# Altium PCB MB1166.PcbDoc (part 8 of 39)
Units mil, origin at the board's own origin, x right, y up, seen from the top; angles counter-clockwise.
Board outline 5000.99 x 2352.96 mil, 4 copper layers (TOP, L2_GND, L3_VCC, BOTTOM), stack 25.9 mil thick; 35 components, 24 nets, 166 pads, 143 vias.
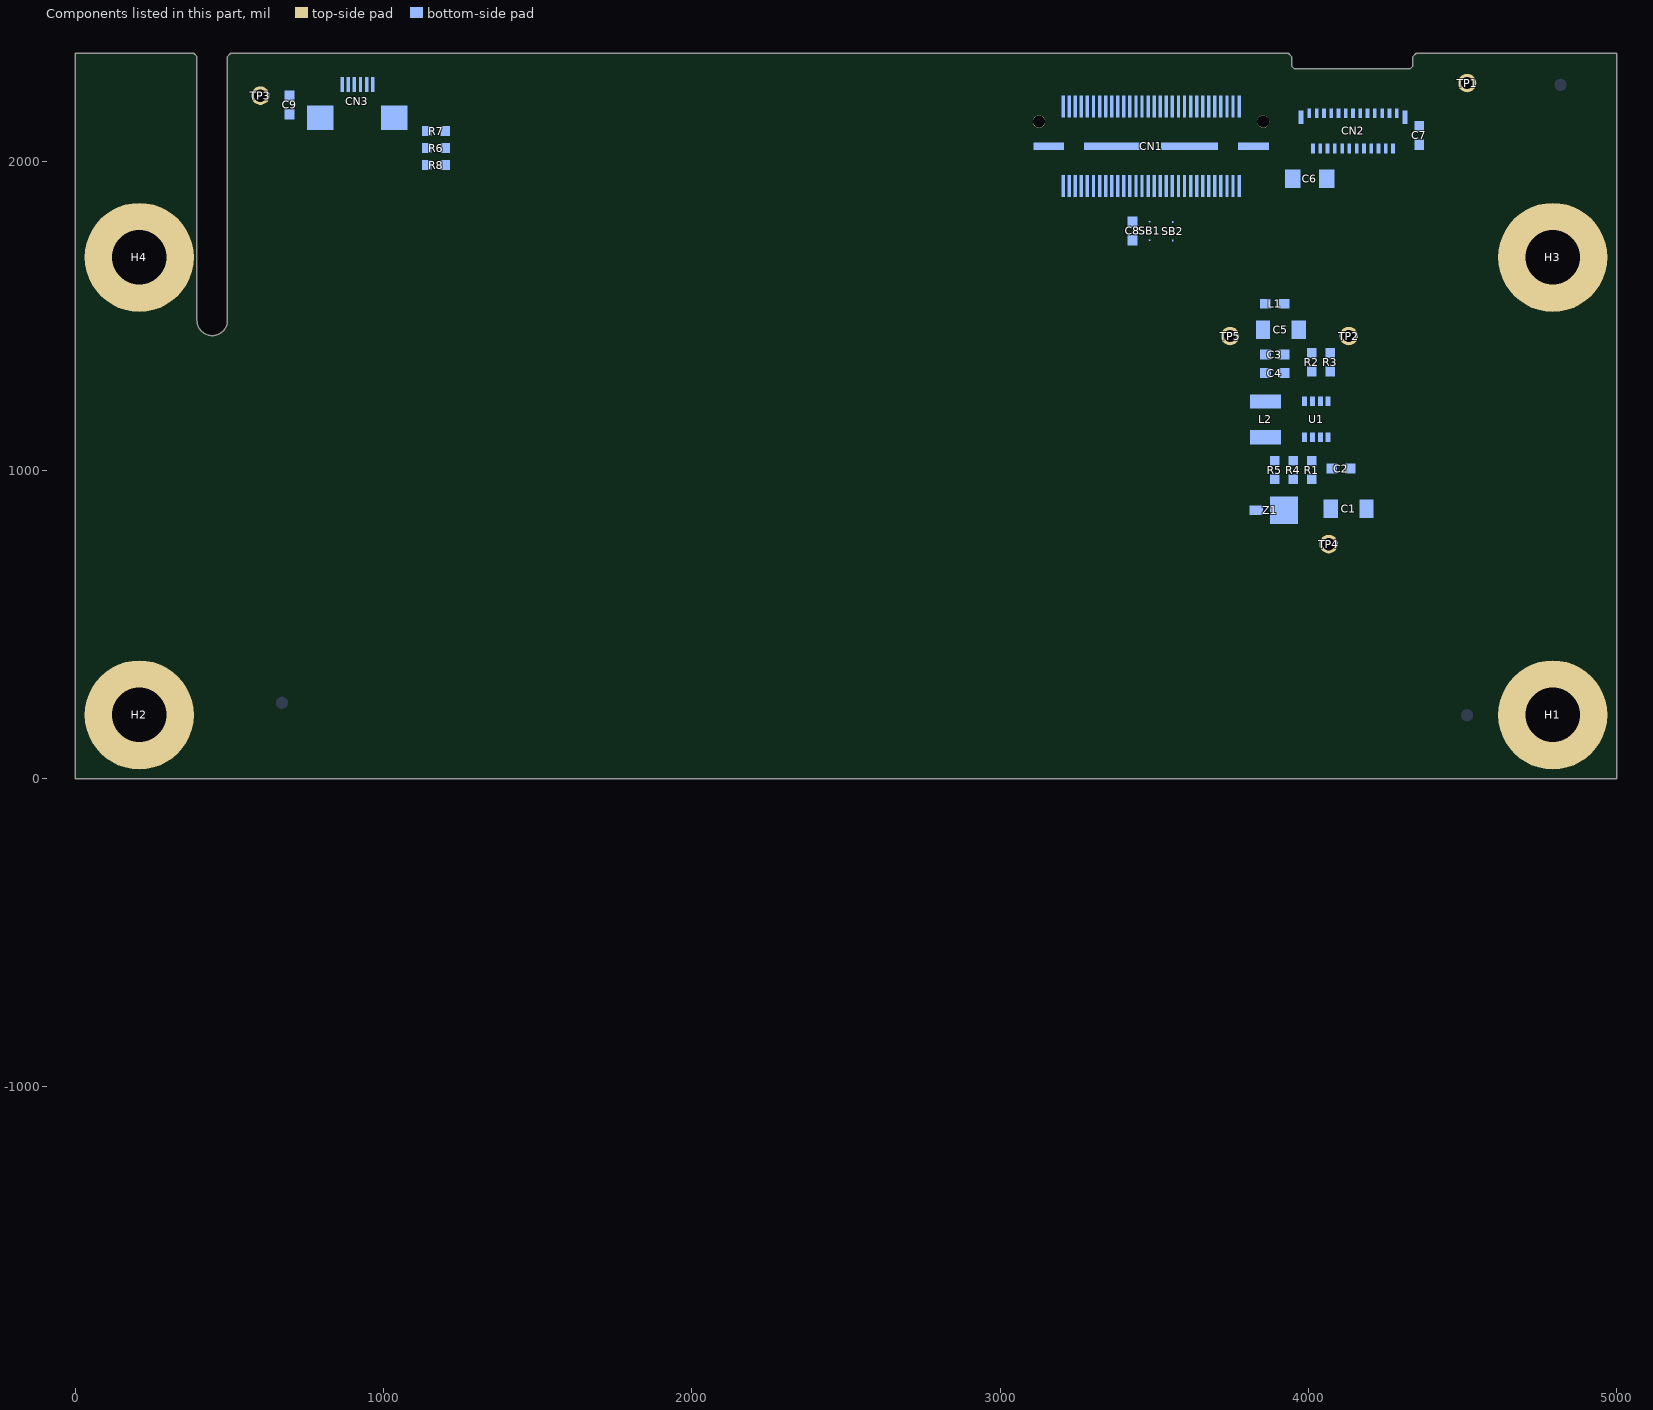
[diagram p10: the components of this part, seen from the top]

## Via types
v1: diameter 24, hole 12, TOP to BOTTOM, 143 vias

## Nets (pads, with @x,y where several pads share a name; then routed paths per layer and width w, separated by ;. In a path a pad name is that pad's centre, name@x,y a point inside that pad or via, vN(x,y) a via of type N, cw(c..) or ccw(c..) an arc to the next point about the centre after c; other vN are vias at no path point) (continued)
copper on no net: (continued)
  TOP w2: 947.4,-1143.44 947.68,-1142.81 ; 947.4,-1143.44 947.68,-1142.81 ; 947.68,-1142.81 947.72,-1142.71 ; 947.68,-1142.81 947.72,-1142.71 ; 947.72,-1142.71 947.77,-1142.62 ; 947.72,-1142.71 947.77,-1142.62 ; 947.77,-1142.62 947.93,-1142.26 ; 947.77,-1142.62 947.93,-1142.26 ; 947.93,-1142.26 947.98,-1142.17 ; 947.93,-1142.26 947.98,-1142.17 ; 947.98,-1142.17 948.1,-1141.9 ; 947.98,-1142.17 948.1,-1141.9 ; 948.1,-1141.9 948.15,-1141.81 ; 948.1,-1141.9 948.15,-1141.81 ; 948.15,-1141.81 948.23,-1141.63 ; 948.15,-1141.81 948.23,-1141.63 ; 948.23,-1141.63 948.28,-1141.54 ; 948.23,-1141.63 948.28,-1141.54 ; 948.28,-1141.54 948.36,-1141.36 ; 948.28,-1141.54 948.36,-1141.36 ; 948.36,-1141.36 948.41,-1141.27 ; 948.36,-1141.36 948.41,-1141.27 ; 948.41,-1141.27 948.49,-1141.09 ; 948.41,-1141.27 948.49,-1141.09 ; 948.49,-1141.09 948.54,-1141 ; 948.49,-1141.09 948.54,-1141 ; 948.54,-1141 948.58,-1140.91 ; 948.54,-1141 948.58,-1140.91 ; 948.58,-1140.91 948.63,-1140.82 ; 948.58,-1140.91 948.63,-1140.82 ; 948.63,-1140.82 948.67,-1140.73 ; 948.63,-1140.82 948.67,-1140.73 ; 948.67,-1140.73 948.72,-1140.64 ; 948.67,-1140.73 948.72,-1140.64 ; 948.72,-1140.64 948.76,-1140.55 ; 948.72,-1140.64 948.76,-1140.55 ; 948.76,-1140.55 948.81,-1140.46 ; 948.76,-1140.55 948.81,-1140.46 ; 948.81,-1140.46 948.85,-1140.37 ; 948.81,-1140.46 948.85,-1140.37 ; 948.85,-1140.37 948.9,-1140.28 ; 948.85,-1140.37 948.9,-1140.28 ; 948.9,-1140.28 948.94,-1140.19 ; 948.9,-1140.28 948.94,-1140.19 ; 948.94,-1140.19 948.99,-1140.1 ; 948.93,-1140.21 979.03,-1110.11 ; 948.94,-1140.19 948.99,-1140.1 ; 948.93,-1140.21 979.03,-1110.11 ; 948.99,-1140.1 949.03,-1140.01 ; 948.99,-1140.1 949.03,-1140.01 ; 949.03,-1140.01 949.08,-1139.92 ; 949.03,-1140.01 949.08,-1139.92 ; 949.08,-1139.92 949.12,-1139.84 ; 949.08,-1139.92 949.12,-1139.84 ; 949.12,-1139.84 949.17,-1139.75 ; 949.12,-1139.84 949.17,-1139.75 ; 949.17,-1139.75 949.21,-1139.66 ; 949.17,-1139.75 949.21,-1139.66 ; 949.21,-1139.66 949.31,-1139.48 ; 949.21,-1139.66 949.31,-1139.48 ; 949.31,-1139.48 949.35,-1139.39 ; 949.31,-1139.48 949.35,-1139.39 ; 949.35,-1139.39 949.4,-1139.3 ; 949.35,-1139.39 949.4,-1139.3 ; 949.4,-1139.3 949.44,-1139.21 ; 949.4,-1139.3 949.44,-1139.21 ; 949.44,-1139.21 949.49,-1139.13 ; 949.44,-1139.21 949.49,-1139.13 ; 949.49,-1139.13 949.54,-1139.04 ; 949.49,-1139.13 949.54,-1139.04 ; 949.54,-1139.04 949.58,-1138.95 ; 949.54,-1139.04 949.58,-1138.95 ; 949.58,-1138.95 949.73,-1138.68 ; 949.58,-1138.95 949.73,-1138.68 ; 949.73,-1138.68 949.77,-1138.6 ; 949.73,-1138.68 949.77,-1138.6 ; 949.77,-1138.6 949.92,-1138.33 ; 949.77,-1138.6 949.92,-1138.33 ; 949.92,-1138.33 949.96,-1138.24 ; 949.92,-1138.33 949.96,-1138.24 ; 949.96,-1138.24 950.01,-1138.16 ; 949.96,-1138.24 950.01,-1138.16 ; 950.01,-1138.16 950.16,-1137.89 ; 950.01,-1138.16 950.16,-1137.89 ; 950.16,-1137.89 950.2,-1137.81 ; 950.16,-1137.89 950.2,-1137.81 ; 950.2,-1137.81 950.35,-1137.54 ; 950.2,-1137.81 950.35,-1137.54 ; 950.35,-1137.54 950.4,-1137.46 ; 950.35,-1137.54 950.4,-1137.46 ; 950.4,-1137.46 950.5,-1137.28 ; 950.4,-1137.46 950.5,-1137.28 ; 950.5,-1137.28 950.55,-1137.2 ; 950.5,-1137.28 950.55,-1137.2 ; 950.55,-1137.2 950.59,-1137.11 ; 950.55,-1137.2 950.59,-1137.11 ; 950.59,-1137.11 950.69,-1136.93 ; 950.59,-1137.11 950.69,-1136.93 ; 950.69,-1136.93 950.74,-1136.85 ; 950.69,-1136.93 950.74,-1136.85 ; 950.74,-1136.85 950.84,-1136.67 ; 950.74,-1136.85 950.84,-1136.67 ; 950.84,-1136.67 950.89,-1136.59 ; 950.84,-1136.67 950.89,-1136.59 ; 950.89,-1136.59 950.99,-1136.41 ; 950.89,-1136.59 950.99,-1136.41 ; 950.99,-1136.41 951.04,-1136.33 ; 950.99,-1136.41 951.04,-1136.33 ; 951.04,-1136.33 951.09,-1136.24 ; 951.04,-1136.33 951.09,-1136.24 ; 951.09,-1136.24 951.14,-1136.16 ; 951.09,-1136.24 951.14,-1136.16 ; 951.14,-1136.16 951.24,-1135.98 ; 951.14,-1136.16 951.24,-1135.98 ; 951.24,-1135.98 951.3,-1135.9 ; 951.24,-1135.98 951.3,-1135.9 ; 951.3,-1135.9 951.4,-1135.72 ; 951.3,-1135.9 951.4,-1135.72 ; 951.4,-1135.72 951.45,-1135.64 ; 951.4,-1135.72 951.45,-1135.64 ; 951.45,-1135.64 951.5,-1135.55 ; 951.45,-1135.64 951.5,-1135.55 ; 951.5,-1135.55 951.55,-1135.47 ; 951.5,-1135.55 951.55,-1135.47 ; 951.55,-1135.47 951.6,-1135.38 ; 951.55,-1135.47 951.6,-1135.38 ; 951.6,-1135.38 951.65,-1135.3 ; 951.6,-1135.38 951.65,-1135.3 ; 951.65,-1135.3 951.71,-1135.21 ; 951.65,-1135.3 951.71,-1135.21 ; 951.71,-1135.21 951.76,-1135.12 ; 951.71,-1135.21 951.76,-1135.12 ; 951.76,-1135.12 951.81,-1135.04 ; 951.76,-1135.12 951.81,-1135.04 ; 951.81,-1135.04 951.86,-1134.95 ; 951.81,-1135.04 951.86,-1134.95 ; 951.86,-1134.95 951.91,-1134.87 ; 951.86,-1134.95 951.91,-1134.87 ; 951.91,-1134.87 951.97,-1134.78 ; 951.91,-1134.87 951.97,-1134.78 ; 951.97,-1134.78 952.02,-1134.7 ; 951.97,-1134.78 952.02,-1134.7 ; 952.02,-1134.7 952.07,-1134.61 ; 952.02,-1134.7 952.07,-1134.61 ; 952.07,-1134.61 952.12,-1134.53 ; 952.07,-1134.61 952.12,-1134.53 ; 952.12,-1134.53 952.18,-1134.44 ; 952.12,-1134.53 952.18,-1134.44 ; 952.18,-1134.44 952.23,-1134.36 ; 952.18,-1134.44 952.23,-1134.36 ; 952.23,-1134.36 952.28,-1134.27 ; 952.23,-1134.36 952.28,-1134.27 ; 952.28,-1134.27 952.34,-1134.19 ; 952.28,-1134.27 952.34,-1134.19 ; 952.34,-1134.19 952.39,-1134.1 ; 952.34,-1134.19 952.39,-1134.1 ; 952.39,-1134.1 952.44,-1134.02 ; 952.39,-1134.1 952.44,-1134.02 ; 952.44,-1134.02 952.49,-1133.93 ; 952.44,-1134.02 952.49,-1133.93 ; 952.49,-1133.93 952.55,-1133.85 ; 952.49,-1133.93 952.55,-1133.85 ; 952.55,-1133.85 952.6,-1133.77 ; 952.55,-1133.85 952.6,-1133.77 ; 952.6,-1133.77 952.66,-1133.68 ; 952.6,-1133.77 952.66,-1133.68 ; 952.66,-1133.68 952.71,-1133.6 ; 952.66,-1133.68 952.71,-1133.6 ; 952.71,-1133.6 952.76,-1133.51 ; 952.71,-1133.6 952.76,-1133.51 ; 952.76,-1133.51 952.82,-1133.43 ; 952.76,-1133.51 952.82,-1133.43 ; 952.82,-1133.43 952.87,-1133.34 ; 952.82,-1133.43 952.87,-1133.34 ; 952.87,-1133.34 952.92,-1133.26 ; 952.87,-1133.34 952.92,-1133.26 ; 952.92,-1133.26 952.98,-1133.18 ; 952.92,-1133.26 952.98,-1133.18 ; 952.98,-1133.18 953.03,-1133.09 ; 952.98,-1133.18 953.03,-1133.09 ; 953.03,-1133.09 953.09,-1133.01 ; 953.03,-1133.09 953.09,-1133.01 ; 953.09,-1133.01 953.14,-1132.92 ; 953.09,-1133.01 953.14,-1132.92 ; 953.14,-1132.92 953.2,-1132.84 ; 953.14,-1132.92 953.2,-1132.84 ; 953.2,-1132.84 953.25,-1132.76 ; 953.2,-1132.84 953.25,-1132.76 ; 953.25,-1132.76 953.31,-1132.67 ; 953.25,-1132.76 953.31,-1132.67 ; 953.31,-1132.67 953.36,-1132.59 ; 953.31,-1132.67 953.36,-1132.59 ; 953.36,-1132.59 953.42,-1132.51 ; 953.36,-1132.59 953.42,-1132.51 ; 953.42,-1132.51 953.47,-1132.42 ; 953.42,-1132.51 953.47,-1132.42 ; 953.47,-1132.42 953.53,-1132.34 ; 953.47,-1132.42 953.53,-1132.34 ; 953.53,-1132.34 953.58,-1132.26 ; 953.53,-1132.34 953.58,-1132.26 ; 953.58,-1132.26 953.64,-1132.17 ; 953.58,-1132.26 953.64,-1132.17 ; 953.64,-1132.17 953.69,-1132.09 ; 953.64,-1132.17 953.69,-1132.09 ; 953.69,-1132.09 953.75,-1132.01 ; 953.69,-1132.09 953.75,-1132.01 ; 953.75,-1132.01 953.81,-1131.92 ; 953.75,-1132.01 953.81,-1131.92 ; 953.81,-1131.92 953.86,-1131.84 ; 953.81,-1131.92 953.86,-1131.84 ; 953.86,-1131.84 953.92,-1131.76 ; 953.86,-1131.84 953.92,-1131.76 ; 953.92,-1131.76 953.97,-1131.68 ; 953.92,-1131.76 953.97,-1131.68 ; 953.97,-1131.68 954.03,-1131.59 ; 953.97,-1131.68 954.03,-1131.59 ; 954.03,-1131.59 954.09,-1131.51 ; 954.03,-1131.59 954.09,-1131.51 ; 954.09,-1131.51 954.14,-1131.43 ; 954.09,-1131.51 954.14,-1131.43 ; 954.14,-1131.43 954.2,-1131.34 ; 954.14,-1131.43 954.2,-1131.34 ; 954.2,-1131.34 954.26,-1131.26 ; 954.2,-1131.34 954.26,-1131.26 ; 954.26,-1131.26 954.31,-1131.18 ; 954.26,-1131.26 954.31,-1131.18 ; 954.31,-1131.18 954.43,-1131.02 ; 954.31,-1131.18 954.43,-1131.02 ; 954.43,-1131.02 954.48,-1130.93 ; 954.43,-1131.02 954.48,-1130.93 ; 954.48,-1130.93 954.6,-1130.77 ; 954.48,-1130.93 954.6,-1130.77 ; 954.6,-1130.77 954.65,-1130.69 ; 954.6,-1130.77 954.65,-1130.69 ; 954.65,-1130.69 954.71,-1130.61 ; 954.65,-1130.69 954.71,-1130.61 ; 954.71,-1130.61 954.77,-1130.52 ; 954.71,-1130.61 954.77,-1130.52 ; 954.77,-1130.52 954.83,-1130.44 ; 954.77,-1130.52 954.83,-1130.44 ; 954.83,-1130.44 954.88,-1130.36 ; 954.83,-1130.44 954.88,-1130.36 ; 954.88,-1130.36 955.06,-1130.12 ; 954.88,-1130.36 955.06,-1130.12 ; 955.06,-1130.12 955.12,-1130.03 ; 955.06,-1130.12 955.12,-1130.03 ; 955.12,-1130.03 955.17,-1129.95 ; 955.12,-1130.03 955.17,-1129.95 ; 955.17,-1129.95 955.53,-1129.47 ; 955.17,-1129.95 955.53,-1129.47 ; 955.53,-1129.47 955.58,-1129.38 ; 955.53,-1129.47 955.58,-1129.38 ; 955.58,-1129.38 956.84,-1127.7 ; 955.58,-1129.38 956.84,-1127.7 ; 956.84,-1127.7 956.9,-1127.63 ; 956.84,-1127.7 956.9,-1127.63 ; 956.9,-1127.63 956.97,-1127.55 ; 956.9,-1127.63 956.97,-1127.55 ; 956.97,-1127.55 957.27,-1127.15 ; 956.97,-1127.55 957.27,-1127.15 ; 957.27,-1127.15 957.34,-1127.07 ; 957.27,-1127.15 957.34,-1127.07 ; 957.34,-1127.07 957.4,-1127 ; 957.34,-1127.07 957.4,-1127 ; 957.4,-1127 957.58,-1126.76 ; 957.4,-1127 957.58,-1126.76 ; 957.58,-1126.76 957.65,-1126.68 ; 957.58,-1126.76 957.65,-1126.68 ; 957.65,-1126.68 957.71,-1126.6 ; 957.65,-1126.68 957.71,-1126.6 ; 957.71,-1126.6 957.77,-1126.53 ; 957.71,-1126.6 957.77,-1126.53 ; 957.77,-1126.53 957.84,-1126.45 ; 957.77,-1126.53 957.84,-1126.45 ; 957.84,-1126.45 957.96,-1126.29 ; 957.84,-1126.45 957.96,-1126.29 ; 957.96,-1126.29 958.02,-1126.22 ; 957.96,-1126.29 958.02,-1126.22 ; 958.02,-1126.22 958.09,-1126.14 ; 958.02,-1126.22 958.09,-1126.14 ; 958.09,-1126.14 958.21,-1125.98 ; 958.09,-1126.14 958.21,-1125.98 ; 958.21,-1125.98 958.28,-1125.91 ; 958.21,-1125.98 958.28,-1125.91 ; 958.28,-1125.91 958.34,-1125.83 ; 958.28,-1125.91 958.34,-1125.83 ; 958.34,-1125.83 958.41,-1125.75 ; 958.34,-1125.83 958.41,-1125.75 ; 958.41,-1125.75 958.47,-1125.68 ; 958.41,-1125.75 958.47,-1125.68 ; 958.47,-1125.68 958.53,-1125.6 ; 958.47,-1125.68 958.53,-1125.6 ; 958.53,-1125.6 958.6,-1125.52 ; 958.53,-1125.6 958.6,-1125.52 ; 958.6,-1125.52 958.66,-1125.45 ; 958.6,-1125.52 958.66,-1125.45 ; 958.66,-1125.45 958.73,-1125.37 ; 958.66,-1125.45 958.73,-1125.37 ; 958.73,-1125.37 958.79,-1125.29 ; 958.73,-1125.37 958.79,-1125.29 ; 958.79,-1125.29 958.85,-1125.22 ; 958.79,-1125.29 958.85,-1125.22 ; 958.85,-1125.22 958.92,-1125.14 ; 958.85,-1125.22 958.92,-1125.14 ; 958.92,-1125.14 958.98,-1125.06 ; 958.92,-1125.14 958.98,-1125.06 ; 958.98,-1125.06 959.05,-1124.99 ; 958.98,-1125.06 959.05,-1124.99 ; 959.05,-1124.99 959.11,-1124.91 ; 959.05,-1124.99 959.11,-1124.91 ; 959.11,-1124.91 959.18,-1124.84 ; 959.11,-1124.91 959.18,-1124.84 ; 959.18,-1124.84 959.24,-1124.76 ; 959.18,-1124.84 959.24,-1124.76 ; 959.24,-1124.76 959.31,-1124.68 ; 959.24,-1124.76 959.31,-1124.68 ; 959.31,-1124.68 959.38,-1124.61 ; 959.31,-1124.68 959.38,-1124.61 ; 959.38,-1124.61 959.44,-1124.53 ; 959.38,-1124.61 959.44,-1124.53 ; 959.44,-1124.53 959.51,-1124.46 ; 959.44,-1124.53 959.51,-1124.46 ; 959.51,-1124.46 959.57,-1124.38 ; 959.51,-1124.46 959.57,-1124.38 ; 959.57,-1124.38 959.64,-1124.31 ; 959.57,-1124.38 959.64,-1124.31 ; 959.64,-1124.31 959.71,-1124.23 ; 959.64,-1124.31 959.71,-1124.23 ; 959.71,-1124.23 959.77,-1124.16 ; 959.71,-1124.23 959.77,-1124.16 ; 959.77,-1124.16 959.84,-1124.08 ; 959.77,-1124.16 959.84,-1124.08 ; 959.84,-1124.08 959.9,-1124.01 ; 959.84,-1124.08 959.9,-1124.01 ; 959.9,-1124.01 959.97,-1123.93 ; 959.9,-1124.01 959.97,-1123.93 ; 959.97,-1123.93 960.04,-1123.86 ; 959.97,-1123.93 960.04,-1123.86 ; 960.04,-1123.86 960.1,-1123.78 ; 960.04,-1123.86 960.1,-1123.78 ; 960.1,-1123.78 960.24,-1123.64 ; 960.1,-1123.78 960.24,-1123.64 ; 960.24,-1123.64 960.31,-1123.56 ; 960.24,-1123.64 960.31,-1123.56 ; 960.31,-1123.56 960.37,-1123.49 ; 960.31,-1123.56 960.37,-1123.49 ; 960.37,-1123.49 960.44,-1123.41 ; 960.37,-1123.49 960.44,-1123.41 ; 960.44,-1123.41 960.58,-1123.27 ; 960.44,-1123.41 960.58,-1123.27 ; 960.58,-1123.27 960.64,-1123.19 ; 960.58,-1123.27 960.64,-1123.19 ; 960.64,-1123.19 960.78,-1123.05 ; 960.64,-1123.19 960.78,-1123.05 ; 960.78,-1123.05 960.85,-1122.97 ; 960.78,-1123.05 960.85,-1122.97 ; 960.85,-1122.97 960.92,-1122.9 ; 960.85,-1122.97 960.92,-1122.9 ; 960.92,-1122.9 960.98,-1122.83 ; 960.92,-1122.9 960.98,-1122.83 ; 960.98,-1122.83 961.05,-1122.75 ; 960.98,-1122.83 961.05,-1122.75 ; 961.05,-1122.75 961.26,-1122.54 ; 961.05,-1122.75 961.26,-1122.54 ; 961.26,-1122.54 961.33,-1122.46 ; 961.26,-1122.54 961.33,-1122.46 ; 961.33,-1122.46 961.54,-1122.25 ; 961.33,-1122.46 961.54,-1122.25 ; 961.54,-1122.25 961.6,-1122.18 ; 961.54,-1122.25 961.6,-1122.18 ; 961.6,-1122.18 961.67,-1122.1 ; 961.6,-1122.18 961.67,-1122.1 ; 961.67,-1122.1 962.8,-1120.97 ; 961.67,-1122.1 962.8,-1120.97 ; 962.8,-1120.97 962.88,-1120.9 ; 962.8,-1120.97 962.88,-1120.9 ; 962.88,-1120.9 963.16,-1120.62 ; 962.88,-1120.9 963.16,-1120.62 ; 963.16,-1120.62 963.24,-1120.56 ; 963.16,-1120.62 963.24,-1120.56 ; 963.24,-1120.56 963.45,-1120.35 ; 963.24,-1120.56 963.45,-1120.35 ; 963.45,-1120.35 963.53,-1120.28 ; 963.45,-1120.35 963.53,-1120.28 ; 963.53,-1120.28 963.67,-1120.14 ; 963.53,-1120.28 963.67,-1120.14 ; 963.67,-1120.14 963.75,-1120.08 ; 963.67,-1120.14 963.75,-1120.08 ; 963.75,-1120.08 963.89,-1119.94 ; 963.75,-1120.08 963.89,-1119.94 ; 963.89,-1119.94 963.97,-1119.87 ; 963.89,-1119.94 963.97,-1119.87 ; 963.97,-1119.87 964.04,-1119.8 ; 963.97,-1119.87 964.04,-1119.8 ; 964.04,-1119.8 964.11,-1119.74 ; 964.04,-1119.8 964.11,-1119.74 ; 964.11,-1119.74 964.19,-1119.67 ; 964.11,-1119.74 964.19,-1119.67 ; 964.19,-1119.67 964.33,-1119.53 ; 964.19,-1119.67 964.33,-1119.53 ; 964.33,-1119.53 964.41,-1119.47 ; 964.33,-1119.53 964.41,-1119.47 ; 964.41,-1119.47 964.48,-1119.4 ; 964.41,-1119.47 964.48,-1119.4 ; 964.48,-1119.4 964.56,-1119.33 ; 964.48,-1119.4 964.56,-1119.33 ; 964.56,-1119.33 964.63,-1119.27 ; 964.56,-1119.33 964.63,-1119.27 ; 964.63,-1119.27 964.71,-1119.2 ; 964.63,-1119.27 964.71,-1119.2 ; 964.71,-1119.2 964.78,-1119.13 ; 964.71,-1119.2 964.78,-1119.13 ; 964.78,-1119.13 964.86,-1119.07 ; 964.78,-1119.13 964.86,-1119.07 ; 964.86,-1119.07 964.93,-1119 ; 964.86,-1119.07 964.93,-1119 ; 964.93,-1119 965.01,-1118.93 ; 964.93,-1119 965.01,-1118.93 ; 965.01,-1118.93 965.08,-1118.87 ; 965.01,-1118.93 965.08,-1118.87 ; 965.08,-1118.87 965.16,-1118.8 ; 965.08,-1118.87 965.16,-1118.8 ; 965.16,-1118.8 965.23,-1118.74 ; 965.16,-1118.8 965.23,-1118.74 ; 965.23,-1118.74 965.31,-1118.67 ; 965.23,-1118.74 965.31,-1118.67 ; 965.31,-1118.67 965.38,-1118.61 ; 965.31,-1118.67 965.38,-1118.61 ; 965.38,-1118.61 965.46,-1118.54 ; 965.38,-1118.61 965.46,-1118.54 ; 965.46,-1118.54 965.53,-1118.47 ; 965.46,-1118.54 965.53,-1118.47 ; 965.53,-1118.47 965.61,-1118.41 ; 965.53,-1118.47 965.61,-1118.41 ; 965.61,-1118.41 965.69,-1118.34 ; 965.61,-1118.41 965.69,-1118.34 ; 965.69,-1118.34 965.76,-1118.28 ; 965.69,-1118.34 965.76,-1118.28 ; 965.76,-1118.28 965.84,-1118.21 ; 965.76,-1118.28 965.84,-1118.21 ; 965.84,-1118.21 965.91,-1118.15 ; 965.84,-1118.21 965.91,-1118.15 ; 965.91,-1118.15 965.99,-1118.09 ; 965.91,-1118.15 965.99,-1118.09 ; 965.99,-1118.09 966.07,-1118.02 ; 965.99,-1118.09 966.07,-1118.02 ; 966.07,-1118.02 966.14,-1117.96 ; 966.07,-1118.02 966.14,-1117.96 ; 966.14,-1117.96 966.22,-1117.89 ; 966.14,-1117.96 966.22,-1117.89 ; 966.22,-1117.89 966.3,-1117.83 ; 966.22,-1117.89 966.3,-1117.83 ; 966.3,-1117.83 966.37,-1117.76 ; 966.3,-1117.83 966.37,-1117.76 ; 966.37,-1117.76 966.53,-1117.64 ; 966.37,-1117.76 966.53,-1117.64 ; 966.53,-1117.64 966.61,-1117.57 ; 966.53,-1117.64 966.61,-1117.57 ; 966.61,-1117.57 966.68,-1117.51 ; 966.61,-1117.57 966.68,-1117.51 ; 966.68,-1117.51 966.76,-1117.45 ; 966.68,-1117.51 966.76,-1117.45 ; 966.76,-1117.45 966.84,-1117.38 ; 966.76,-1117.45 966.84,-1117.38 ; 966.84,-1117.38 966.91,-1117.32 ; 966.84,-1117.38 966.91,-1117.32 ; 966.91,-1117.32 966.99,-1117.26 ; 966.91,-1117.32 966.99,-1117.26 ; 966.99,-1117.26 967.07,-1117.19 ; 966.99,-1117.26 967.07,-1117.19 ; 967.07,-1117.19 967.23,-1117.07 ; 967.07,-1117.19 967.23,-1117.07 ; 967.23,-1117.07 967.3,-1117.01 ; 967.23,-1117.07 967.3,-1117.01 ; 967.3,-1117.01 967.38,-1116.94 ; 967.3,-1117.01 967.38,-1116.94 ; 967.38,-1116.94 967.7,-1116.7 ; 967.38,-1116.94 967.7,-1116.7 ; 967.7,-1116.7 967.77,-1116.63 ; 967.7,-1116.7 967.77,-1116.63 ; 967.77,-1116.63 968.17,-1116.33 ; 967.77,-1116.63 968.17,-1116.33 ; 968.17,-1116.33 968.25,-1116.26 ; 968.17,-1116.33 968.25,-1116.26 ; 968.25,-1116.26 968.57,-1116.02 ; 968.25,-1116.26 968.57,-1116.02 ; 968.57,-1116.02 968.64,-1115.96 ; 968.57,-1116.02 968.64,-1115.96 ; 968.64,-1115.96 969.2,-1115.54 ; 968.64,-1115.96 969.2,-1115.54 ; 969.2,-1115.54 969.29,-1115.48 ; 969.2,-1115.54 969.29,-1115.48 ; 969.29,-1115.48 969.61,-1115.24 ; 969.29,-1115.48 969.61,-1115.24 ; 969.61,-1115.24 969.69,-1115.19 ; 969.61,-1115.24 969.69,-1115.19 ; 969.69,-1115.19 970.09,-1114.89 ; 969.69,-1115.19 970.09,-1114.89 ; 970.09,-1114.89 970.18,-1114.84 ; 970.09,-1114.89 970.18,-1114.84 ; 970.18,-1114.84 970.42,-1114.66 ; 970.18,-1114.84 970.42,-1114.66 ; 970.42,-1114.66 970.5,-1114.61 ; 970.42,-1114.66 970.5,-1114.61 ; 970.5,-1114.61 970.58,-1114.55 ; 970.5,-1114.61 970.58,-1114.55 ; 970.58,-1114.55 970.67,-1114.49 ; 970.58,-1114.55 970.67,-1114.49 ; 970.67,-1114.49 970.75,-1114.43 ; 970.67,-1114.49 970.75,-1114.43 ; 970.75,-1114.43 970.83,-1114.38 ; 970.75,-1114.43 970.83,-1114.38 ; 970.83,-1114.38 970.91,-1114.32 ; 970.83,-1114.38 970.91,-1114.32 ; 970.91,-1114.32 971,-1114.27 ; 970.91,-1114.32 971,-1114.27 ; 971,-1114.27 971.16,-1114.15 ; 971,-1114.27 971.16,-1114.15 ; 971.16,-1114.15 971.25,-1114.1 ; 971.16,-1114.15 971.25,-1114.1 ; 971.25,-1114.1 971.33,-1114.04 ; 971.25,-1114.1 971.33,-1114.04 ; 971.33,-1114.04 971.41,-1113.99 ; 971.33,-1114.04 971.41,-1113.99 ; 971.41,-1113.99 971.5,-1113.93 ; 971.41,-1113.99 971.5,-1113.93 ; 971.5,-1113.93 971.58,-1113.88 ; 971.5,-1113.93 971.58,-1113.88 ; 971.58,-1113.88 971.66,-1113.82 ; 971.58,-1113.88 971.66,-1113.82 ; 971.66,-1113.82 971.75,-1113.77 ; 971.66,-1113.82 971.75,-1113.77 ; 971.75,-1113.77 971.83,-1113.71 ; 971.75,-1113.77 971.83,-1113.71 ; 971.83,-1113.71 971.91,-1113.66 ; 971.83,-1113.71 971.91,-1113.66 ; 971.91,-1113.66 972,-1113.6 ; 971.91,-1113.66 972,-1113.6 ; 972,-1113.6 972.08,-1113.55 ; 972,-1113.6 972.08,-1113.55 ; 972.08,-1113.55 972.17,-1113.5 ; 972.08,-1113.55 972.17,-1113.5 ; 972.17,-1113.5 972.25,-1113.44 ; 972.17,-1113.5 972.25,-1113.44 ; 972.25,-1113.44 972.34,-1113.39 ; 972.25,-1113.44 972.34,-1113.39 ; 972.34,-1113.39 972.42,-1113.34 ; 972.34,-1113.39 972.42,-1113.34 ; 972.42,-1113.34 972.51,-1113.28 ; 972.42,-1113.34 972.51,-1113.28 ; 972.51,-1113.28 972.59,-1113.23 ; 972.51,-1113.28 972.59,-1113.23 ; 972.59,-1113.23 972.68,-1113.18 ; 972.59,-1113.23 972.68,-1113.18 ; 972.68,-1113.18 972.76,-1113.13 ; 972.68,-1113.18 972.76,-1113.13 ; 972.76,-1113.13 972.85,-1113.08 ; 972.76,-1113.13 972.85,-1113.08 ; 972.85,-1113.08 972.93,-1113.02 ; 972.85,-1113.08 972.93,-1113.02 ; 972.93,-1113.02 973.02,-1112.97 ; 972.93,-1113.02 973.02,-1112.97 ; 973.02,-1112.97 973.1,-1112.92 ; 973.02,-1112.97 973.1,-1112.92 ; 973.1,-1112.92 973.28,-1112.82 ; 973.1,-1112.92 973.28,-1112.82 ; 973.28,-1112.82 973.36,-1112.77 ; 973.28,-1112.82 973.36,-1112.77 ; 973.36,-1112.77 973.54,-1112.67 ; 973.36,-1112.77 973.54,-1112.67 ; 973.54,-1112.67 973.62,-1112.62 ; 973.54,-1112.67 973.62,-1112.62 ; 973.62,-1112.62 973.8,-1112.52 ; 973.62,-1112.62 973.8,-1112.52 ; 973.8,-1112.52 973.88,-1112.47 ; 973.8,-1112.52 973.88,-1112.47 ; 973.88,-1112.47 974.15,-1112.32 ; 973.88,-1112.47 974.15,-1112.32 ; 974.15,-1112.32 974.23,-1112.28 ; 974.15,-1112.32 974.23,-1112.28 ; 974.23,-1112.28 974.5,-1112.13 ; 974.23,-1112.28 974.5,-1112.13 ; 974.5,-1112.13 974.59,-1112.09 ; 974.5,-1112.13 974.59,-1112.09 ; 974.59,-1112.09 974.67,-1112.04 ; 974.59,-1112.09 974.67,-1112.04 ; 974.67,-1112.04 974.76,-1111.99 ; 974.67,-1112.04 974.76,-1111.99 ; 974.76,-1111.99 974.85,-1111.95 ; 974.76,-1111.99 974.85,-1111.95 ; 974.85,-1111.95 974.94,-1111.9 ; 974.85,-1111.95 974.94,-1111.9 ; 974.94,-1111.9 975.03,-1111.86 ; 974.94,-1111.9 975.03,-1111.86 ; 975.03,-1111.86 975.12,-1111.81 ; 975.05,-1111.85 951.74,-1135.15 975.05,-1111.85 